# Altium PCB CFD_V1.03.PcbDoc (part 5 of 10)
Units mm, origin at the board's own origin, x right, y up, seen from the top; angles counter-clockwise.
Board outline 96.25 x 362.25 mm, 6 copper layers (Top, L2, L3, L4, L5, Bot), stack 1.496 mm thick; 1353 components, 761 nets, 4147 pads, 1354 vias.
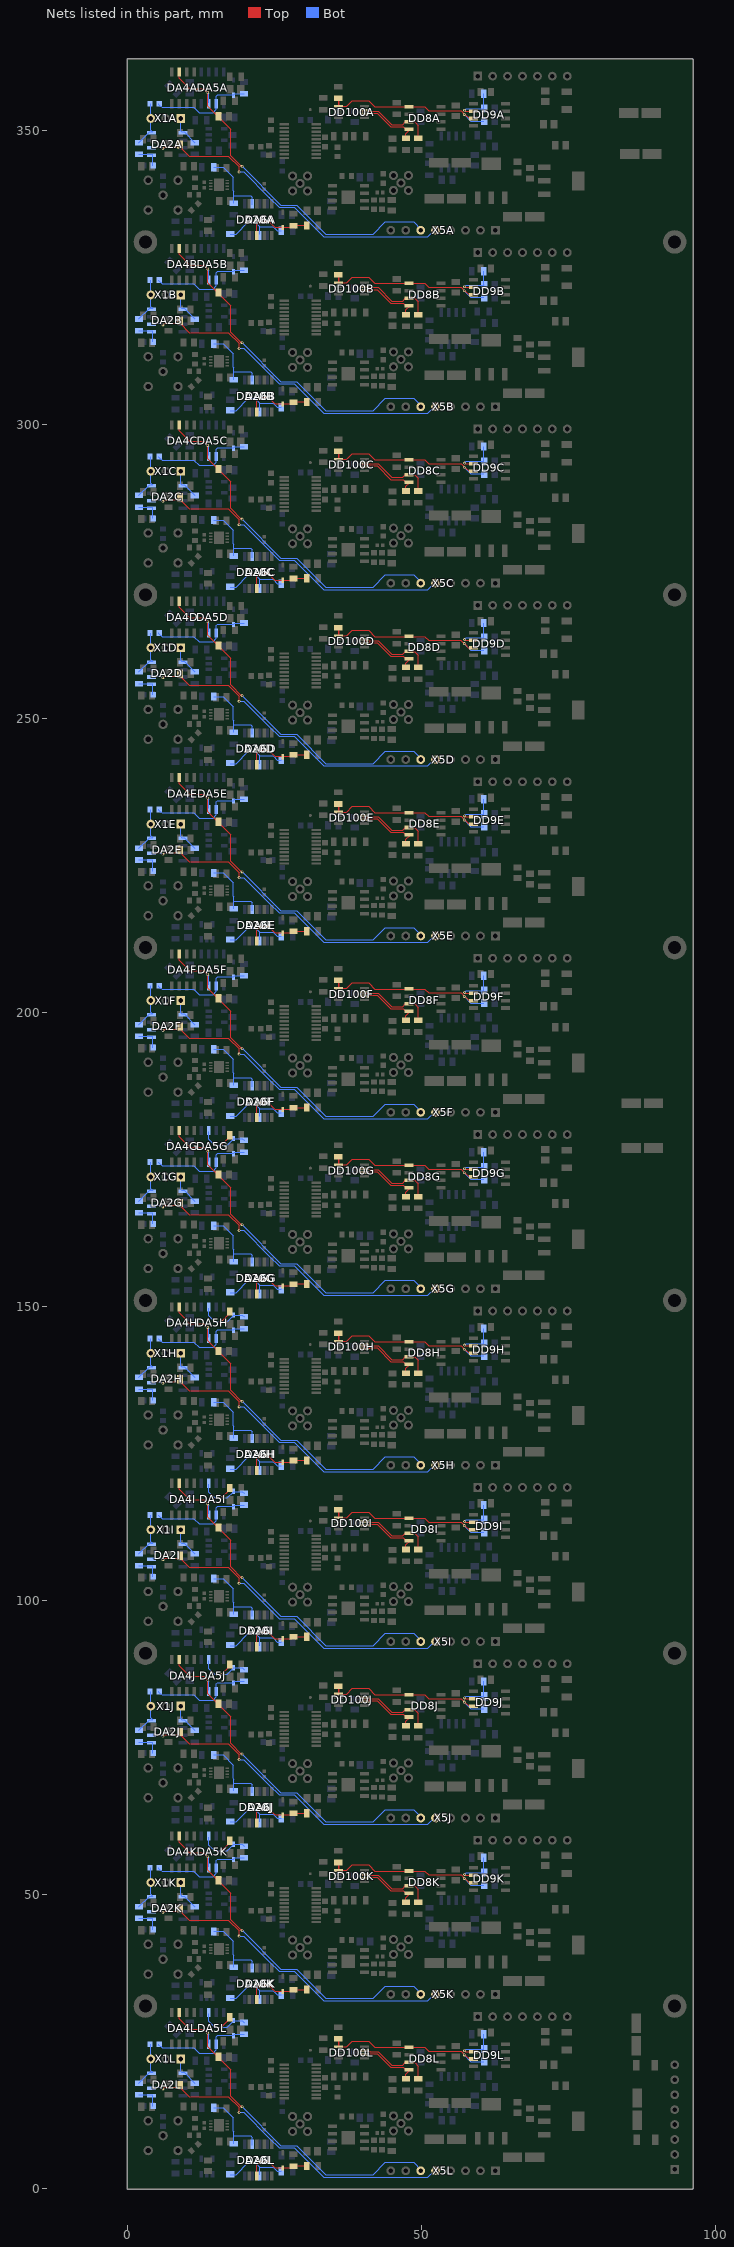
[diagram p9: the nets of this part, all layers, seen from the top]

## Via types
v1: diameter 0.48, hole 0.25, Top to Bot, tented both sides, 1301 vias
v2: diameter 1, hole 0.6, Top to Bot, tented both sides, 46 vias
v3: diameter 0.2/0.48/0.48/0.48/0.48/0.48 (per signal layer), hole 0.25, Top to Bot, tented both sides, 3 vias
v4: diameter 0.2/0/0/0/0/0.48 (per signal layer), hole 0.25, Top to Bot, tented both sides, 3 vias
v5: diameter 0.48/0.48/0.48/0.48/0.48/0.48 (per signal layer), hole 0.25, Top to Bot, tented both sides, 1 vias

## Nets (pads, with @x,y where several pads share a name; then routed paths per layer and width w, separated by ;. In a path a pad name is that pad's centre, name@x,y a point inside that pad or via, vN(x,y) a via of type N, cw(c..) or ccw(c..) an arc to the next point about the centre after c; other vN are vias at no path point) (continued)
DA5_OUTG: DA5G.6 R13G.1 R17G.2 VD1G.2 | length 10.6
  Top w0.2: v1(15.9,177.4) 17.3,178.8 R13G.1@17.3,179.1
  Bot w0.2: DA5G.6@13.8,179.7 13.8,178.38 14.78,177.4 v1(15.9,177.4) 16.9,177.4 18,178.5 19.5,178.5 R17G.2@19.8,178.2
DA5_OUTH: DA5H.6 R13H.1 R17H.2 VD1H.2 | length 10.6
  Top w0.2: v1(15.9,147.4) 17.3,148.8 R13H.1@17.3,149.1
  Bot w0.2: DA5H.6@13.8,149.7 13.8,148.38 14.78,147.4 v1(15.9,147.4) 16.9,147.4 18,148.5 19.5,148.5 R17H.2@19.8,148.2
DA5_OUTI: DA5I.6 R13I.1 R17I.2 VD1I.2 | length 10.6
  Top w0.2: v1(15.9,117.4) 17.3,118.8 R13I.1@17.3,119.1
  Bot w0.2: DA5I.6@13.8,119.7 13.8,118.38 14.78,117.4 v1(15.9,117.4) 16.9,117.4 18,118.5 19.5,118.5 R17I.2@19.8,118.2
DA5_OUTJ: DA5J.6 R13J.1 R17J.2 VD1J.2 | length 10.6
  Top w0.2: v1(15.9,87.4) 17.3,88.8 R13J.1@17.3,89.1
  Bot w0.2: DA5J.6@13.8,89.7 13.8,88.38 14.78,87.4 v1(15.9,87.4) 16.9,87.4 18,88.5 19.5,88.5 R17J.2@19.8,88.2
DA5_OUTK: DA5K.6 R13K.1 R17K.2 VD1K.2 | length 10.6
  Top w0.2: v1(15.9,57.4) 17.3,58.8 R13K.1@17.3,59.1
  Bot w0.2: DA5K.6@13.8,59.7 13.8,58.38 14.78,57.4 v1(15.9,57.4) 16.9,57.4 18,58.5 19.5,58.5 R17K.2@19.8,58.2
DA5_OUTL: DA5L.6 R13L.1 R17L.2 VD1L.2 | length 10.6
  Top w0.2: v1(15.9,27.4) 17.3,28.8 R13L.1@17.3,29.1
  Bot w0.2: DA5L.6@13.8,29.7 13.8,28.38 14.78,27.4 v1(15.9,27.4) 16.9,27.4 18,28.5 19.5,28.5 R17L.2@19.8,28.2
DA5A_N: DA5A.2 R17A.1 R45A.1 VD1A.1 | length 17.9
  Bot w0.2: R45A.1@5.23,354.5 5.23,354.374 5.484,354.12 5.61,354.12 5.83,353.9 11.25,353.9 12.15,353 14.5,353 15.07,353.57 15.07,354.7 15.07,355.78 15.29,356 18,356 18.2,356.2 R17A.1@19.8,356.2
DA5B_N: DA5B.2 R17B.1 R45B.1 VD1B.1 | length 17.9
  Bot w0.2: R45B.1@5.23,324.5 5.23,324.374 5.484,324.12 5.61,324.12 5.83,323.9 11.25,323.9 12.15,323 14.5,323 15.07,323.57 15.07,324.7 15.07,325.78 15.29,326 18,326 18.2,326.2 R17B.1@19.8,326.2
DA5C_N: DA5C.2 R17C.1 R45C.1 VD1C.1 | length 17.9
  Bot w0.2: R45C.1@5.23,294.5 5.23,294.374 5.484,294.12 5.61,294.12 5.83,293.9 11.25,293.9 12.15,293 14.5,293 15.07,293.57 15.07,294.7 15.07,295.78 15.29,296 18,296 18.2,296.2 R17C.1@19.8,296.2
DA5D_N: DA5D.2 R17D.1 R45D.1 VD1D.1 | length 17.9
  Bot w0.2: R45D.1@5.23,264.5 5.23,264.374 5.484,264.12 5.61,264.12 5.83,263.9 11.25,263.9 12.15,263 14.5,263 15.07,263.57 15.07,264.7 15.07,265.78 15.29,266 18,266 18.2,266.2 R17D.1@19.8,266.2
DA5E_N: DA5E.2 R17E.1 R45E.1 VD1E.1 | length 17.9
  Bot w0.2: R45E.1@5.23,234.5 5.23,234.374 5.484,234.12 5.61,234.12 5.83,233.9 11.25,233.9 12.15,233 14.5,233 15.07,233.57 15.07,234.7 15.07,235.78 15.29,236 18,236 18.2,236.2 R17E.1@19.8,236.2
DA5F_N: DA5F.2 R17F.1 R45F.1 VD1F.1 | length 17.9
  Bot w0.2: R45F.1@5.23,204.5 5.23,204.374 5.484,204.12 5.61,204.12 5.83,203.9 11.25,203.9 12.15,203 14.5,203 15.07,203.57 15.07,204.7 15.07,205.78 15.29,206 18,206 18.2,206.2 R17F.1@19.8,206.2
DA5G_N: DA5G.2 R17G.1 R45G.1 VD1G.1 | length 17.9
  Bot w0.2: R45G.1@5.23,174.5 5.23,174.374 5.484,174.12 5.61,174.12 5.83,173.9 11.25,173.9 12.15,173 14.5,173 15.07,173.57 15.07,174.7 15.07,175.78 15.29,176 18,176 18.2,176.2 R17G.1@19.8,176.2
DA5H_N: DA5H.2 R17H.1 R45H.1 VD1H.1 | length 17.9
  Bot w0.2: R45H.1@5.23,144.5 5.23,144.374 5.484,144.12 5.61,144.12 5.83,143.9 11.25,143.9 12.15,143 14.5,143 15.07,143.57 15.07,144.7 15.07,145.78 15.29,146 18,146 18.2,146.2 R17H.1@19.8,146.2
DA5I_N: DA5I.2 R17I.1 R45I.1 VD1I.1 | length 17.9
  Bot w0.2: R45I.1@5.23,114.5 5.23,114.374 5.484,114.12 5.61,114.12 5.83,113.9 11.25,113.9 12.15,113 14.5,113 15.07,113.57 15.07,114.7 15.07,115.78 15.29,116 18,116 18.2,116.2 R17I.1@19.8,116.2
DA5J_N: DA5J.2 R17J.1 R45J.1 VD1J.1 | length 17.9
  Bot w0.2: R45J.1@5.23,84.5 5.23,84.374 5.484,84.12 5.61,84.12 5.83,83.9 11.25,83.9 12.15,83 14.5,83 15.07,83.57 15.07,84.7 15.07,85.78 15.29,86 18,86 18.2,86.2 R17J.1@19.8,86.2
DA5K_N: DA5K.2 R17K.1 R45K.1 VD1K.1 | length 17.9
  Bot w0.2: R45K.1@5.23,54.5 5.23,54.374 5.484,54.12 5.61,54.12 5.83,53.9 11.25,53.9 12.15,53 14.5,53 15.07,53.57 15.07,54.7 15.07,55.78 15.29,56 18,56 18.2,56.2 R17K.1@19.8,56.2
DA5L_N: DA5L.2 R17L.1 R45L.1 VD1L.1 | length 17.9
  Bot w0.2: R45L.1@5.23,24.5 5.23,24.374 5.484,24.12 5.61,24.12 5.83,23.9 11.25,23.9 12.15,23 14.5,23 15.07,23.57 15.07,24.7 15.07,25.78 15.29,26 18,26 18.2,26.2 R17L.1@19.8,26.2
DA6_OUTA: DA6A.6 R16A.1 R43A.1 VD2A.2 | length 11
  Top w0.2: DA6A.6@21.93,332.3 21.93,334.02 22.5,334.59 23.9,334.59 24.99,333.5 26.325,333.5 27.9,333.5 28.2,333.8 R43A.1@30.4,333.8
DA6_OUTB: DA6B.6 R16B.1 R43B.1 VD2B.2 | length 11
  Top w0.2: DA6B.6@21.93,302.3 21.93,304.02 22.5,304.59 23.9,304.59 24.99,303.5 26.325,303.5 27.9,303.5 28.2,303.8 R43B.1@30.4,303.8
DA6_OUTC: DA6C.6 R16C.1 R43C.1 VD2C.2 | length 11
  Top w0.2: DA6C.6@21.93,272.3 21.93,274.02 22.5,274.59 23.9,274.59 24.99,273.5 26.325,273.5 27.9,273.5 28.2,273.8 R43C.1@30.4,273.8
DA6_OUTD: DA6D.6 R16D.1 R43D.1 VD2D.2 | length 11
  Top w0.2: DA6D.6@21.93,242.3 21.93,244.02 22.5,244.59 23.9,244.59 24.99,243.5 26.325,243.5 27.9,243.5 28.2,243.8 R43D.1@30.4,243.8
DA6_OUTE: DA6E.6 R16E.1 R43E.1 VD2E.2 | length 11
  Top w0.2: DA6E.6@21.93,212.3 21.93,214.02 22.5,214.59 23.9,214.59 24.99,213.5 26.325,213.5 27.9,213.5 28.2,213.8 R43E.1@30.4,213.8
DA6_OUTF: DA6F.6 R16F.1 R43F.1 VD2F.2 | length 11
  Top w0.2: DA6F.6@21.93,182.3 21.93,184.02 22.5,184.59 23.9,184.59 24.99,183.5 26.325,183.5 27.9,183.5 28.2,183.8 R43F.1@30.4,183.8
DA6_OUTG: DA6G.6 R16G.1 R43G.1 VD2G.2 | length 11
  Top w0.2: DA6G.6@21.93,152.3 21.93,154.02 22.5,154.59 23.9,154.59 24.99,153.5 26.325,153.5 27.9,153.5 28.2,153.8 R43G.1@30.4,153.8
DA6_OUTH: DA6H.6 R16H.1 R43H.1 VD2H.2 | length 11
  Top w0.2: DA6H.6@21.93,122.3 21.93,124.02 22.5,124.59 23.9,124.59 24.99,123.5 26.325,123.5 27.9,123.5 28.2,123.8 R43H.1@30.4,123.8
DA6_OUTI: DA6I.6 R16I.1 R43I.1 VD2I.2 | length 11
  Top w0.2: DA6I.6@21.93,92.3 21.93,94.02 22.5,94.59 23.9,94.59 24.99,93.5 26.325,93.5 27.9,93.5 28.2,93.8 R43I.1@30.4,93.8
DA6_OUTJ: DA6J.6 R16J.1 R43J.1 VD2J.2 | length 11
  Top w0.2: DA6J.6@21.93,62.3 21.93,64.02 22.5,64.59 23.9,64.59 24.99,63.5 26.325,63.5 27.9,63.5 28.2,63.8 R43J.1@30.4,63.8
DA6_OUTK: DA6K.6 R16K.1 R43K.1 VD2K.2 | length 11
  Top w0.2: DA6K.6@21.93,32.3 21.93,34.02 22.5,34.59 23.9,34.59 24.99,33.5 26.325,33.5 27.9,33.5 28.2,33.8 R43K.1@30.4,33.8
DA6_OUTL: DA6L.6 R16L.1 R43L.1 VD2L.2 | length 11
  Top w0.2: DA6L.6@21.93,2.3 21.93,4.02 22.5,4.59 23.9,4.59 24.99,3.5 26.325,3.5 27.9,3.5 28.2,3.8 R43L.1@30.4,3.8
DA20_OUTA: DA20A.6 pad.1@18,338.9 R14A.2 R41A.1 | length 13
  Bot w0.2: R41A.1@14.63,343.7 16.199,343.7 17.91,341.989 17.91,339.697 18,339.607 pad.1@18,338.9 ; R14A.2@18,337.6 pad.1@18,338.9 ; DA20A.6@21.16,337.3 21.16,338.64 20.9,338.9 pad.1@18,338.9
DA20_OUTB: DA20B.6 R14B.2 R41B.1 | length 13
  Bot w0.2: R41B.1@14.63,313.7 16.199,313.7 17.91,311.989 17.91,309.697 18,309.607 18,308.9 ; R14B.2@18,307.6 18,308.9 ; DA20B.6@21.16,307.3 21.16,308.64 20.9,308.9 18,308.9
DA20_OUTC: DA20C.6 R14C.2 R41C.1 | length 13
  Bot w0.2: R41C.1@14.63,283.7 16.199,283.7 17.91,281.989 17.91,279.697 18,279.607 18,278.9 ; R14C.2@18,277.6 18,278.9 ; DA20C.6@21.16,277.3 21.16,278.64 20.9,278.9 18,278.9
DA20_OUTD: DA20D.6 R14D.2 R41D.1 | length 13
  Bot w0.2: R41D.1@14.63,253.7 16.199,253.7 17.91,251.989 17.91,249.697 18,249.607 18,248.9 ; R14D.2@18,247.6 18,248.9 ; DA20D.6@21.16,247.3 21.16,248.64 20.9,248.9 18,248.9
DA20_OUTE: DA20E.6 R14E.2 R41E.1 | length 13
  Bot w0.2: R41E.1@14.63,223.7 16.199,223.7 17.91,221.989 17.91,219.697 18,219.607 18,218.9 ; R14E.2@18,217.6 18,218.9 ; DA20E.6@21.16,217.3 21.16,218.64 20.9,218.9 18,218.9
DA20_OUTF: DA20F.6 R14F.2 R41F.1 | length 13
  Bot w0.2: R41F.1@14.63,193.7 16.199,193.7 17.91,191.989 17.91,189.697 18,189.607 18,188.9 ; R14F.2@18,187.6 18,188.9 ; DA20F.6@21.16,187.3 21.16,188.64 20.9,188.9 18,188.9
DA20_OUTG: DA20G.6 R14G.2 R41G.1 | length 13
  Bot w0.2: R41G.1@14.63,163.7 16.199,163.7 17.91,161.989 17.91,159.697 18,159.607 18,158.9 ; R14G.2@18,157.6 18,158.9 ; DA20G.6@21.16,157.3 21.16,158.64 20.9,158.9 18,158.9
DA20_OUTH: DA20H.6 R14H.2 R41H.1 | length 13
  Bot w0.2: R41H.1@14.63,133.7 16.199,133.7 17.91,131.989 17.91,129.697 18,129.607 18,128.9 ; R14H.2@18,127.6 18,128.9 ; DA20H.6@21.16,127.3 21.16,128.64 20.9,128.9 18,128.9
DA20_OUTI: DA20I.6 R14I.2 R41I.1 | length 13
  Bot w0.2: R41I.1@14.63,103.7 16.199,103.7 17.91,101.989 17.91,99.697 18,99.607 18,98.9 ; R14I.2@18,97.6 18,98.9 ; DA20I.6@21.16,97.3 21.16,98.64 20.9,98.9 18,98.9
DA20_OUTJ: DA20J.6 R14J.2 R41J.1 | length 13
  Bot w0.2: R41J.1@14.63,73.7 16.199,73.7 17.91,71.989 17.91,69.697 18,69.607 18,68.9 ; R14J.2@18,67.6 18,68.9 ; DA20J.6@21.16,67.3 21.16,68.64 20.9,68.9 18,68.9
DA20_OUTK: DA20K.6 R14K.2 R41K.1 | length 13
  Bot w0.2: R41K.1@14.63,43.7 16.199,43.7 17.91,41.989 17.91,39.697 18,39.607 18,38.9 ; R14K.2@18,37.6 18,38.9 ; DA20K.6@21.16,37.3 21.16,38.64 20.9,38.9 18,38.9
DA20_OUTL: DA20L.6 R14L.2 R41L.1 | length 13
  Bot w0.2: R41L.1@14.63,13.7 16.199,13.7 17.91,11.989 17.91,9.697 18,9.607 18,8.9 ; R14L.2@18,7.6 18,8.9 ; DA20L.6@21.16,7.3 21.16,8.64 20.9,8.9 18,8.9
DA20A_N: C15A.1 DA20A.2 R42A.2 | length 11.5
  Bot w0.2: C15A.1@17.4,332.3 18.407,332.3 20.507,334.4 21.66,334.4 22.46,333.6 ; DA20A.2@22.43,332.3 22.43,333.57 22.46,333.6 ; R42A.2@26.086,332.9 25.4,332.9 24.7,333.6 22.46,333.6
DA20B_N: C15B.1 DA20B.2 R42B.2 | length 11.5
  Bot w0.2: C15B.1@17.4,302.3 18.407,302.3 20.507,304.4 21.66,304.4 22.46,303.6 ; DA20B.2@22.43,302.3 22.43,303.57 22.46,303.6 ; R42B.2@26.086,302.9 25.4,302.9 24.7,303.6 22.46,303.6
DA20C_N: C15C.1 DA20C.2 R42C.2 | length 11.5
  Bot w0.2: C15C.1@17.4,272.3 18.407,272.3 20.507,274.4 21.66,274.4 22.46,273.6 ; DA20C.2@22.43,272.3 22.43,273.57 22.46,273.6 ; R42C.2@26.086,272.9 25.4,272.9 24.7,273.6 22.46,273.6
DA20D_N: C15D.1 DA20D.2 R42D.2 | length 11.5
  Bot w0.2: C15D.1@17.4,242.3 18.407,242.3 20.507,244.4 21.66,244.4 22.46,243.6 ; DA20D.2@22.43,242.3 22.43,243.57 22.46,243.6 ; R42D.2@26.086,242.9 25.4,242.9 24.7,243.6 22.46,243.6
DA20E_N: C15E.1 DA20E.2 R42E.2 | length 11.5
  Bot w0.2: C15E.1@17.4,212.3 18.407,212.3 20.507,214.4 21.66,214.4 22.46,213.6 ; DA20E.2@22.43,212.3 22.43,213.57 22.46,213.6 ; R42E.2@26.086,212.9 25.4,212.9 24.7,213.6 22.46,213.6
DA20F_N: C15F.1 DA20F.2 R42F.2 | length 11.5
  Bot w0.2: C15F.1@17.4,182.3 18.407,182.3 20.507,184.4 21.66,184.4 22.46,183.6 ; DA20F.2@22.43,182.3 22.43,183.57 22.46,183.6 ; R42F.2@26.086,182.9 25.4,182.9 24.7,183.6 22.46,183.6
DA20G_N: C15G.1 DA20G.2 R42G.2 | length 11.5
  Bot w0.2: C15G.1@17.4,152.3 18.407,152.3 20.507,154.4 21.66,154.4 22.46,153.6 ; DA20G.2@22.43,152.3 22.43,153.57 22.46,153.6 ; R42G.2@26.086,152.9 25.4,152.9 24.7,153.6 22.46,153.6
DA20H_N: C15H.1 DA20H.2 R42H.2 | length 11.5
  Bot w0.2: C15H.1@17.4,122.3 18.407,122.3 20.507,124.4 21.66,124.4 22.46,123.6 ; DA20H.2@22.43,122.3 22.43,123.57 22.46,123.6 ; R42H.2@26.086,122.9 25.4,122.9 24.7,123.6 22.46,123.6
DA20I_N: C15I.1 DA20I.2 R42I.2 | length 11.5
  Bot w0.2: C15I.1@17.4,92.3 18.407,92.3 20.507,94.4 21.66,94.4 22.46,93.6 ; DA20I.2@22.43,92.3 22.43,93.57 22.46,93.6 ; R42I.2@26.086,92.9 25.4,92.9 24.7,93.6 22.46,93.6
DA20J_N: C15J.1 DA20J.2 R42J.2 | length 11.5
  Bot w0.2: C15J.1@17.4,62.3 18.407,62.3 20.507,64.4 21.66,64.4 22.46,63.6 ; DA20J.2@22.43,62.3 22.43,63.57 22.46,63.6 ; R42J.2@26.086,62.9 25.4,62.9 24.7,63.6 22.46,63.6
DA20K_N: C15K.1 DA20K.2 R42K.2 | length 11.5
  Bot w0.2: C15K.1@17.4,32.3 18.407,32.3 20.507,34.4 21.66,34.4 22.46,33.6 ; DA20K.2@22.43,32.3 22.43,33.57 22.46,33.6 ; R42K.2@26.086,32.9 25.4,32.9 24.7,33.6 22.46,33.6
DA20L_N: C15L.1 DA20L.2 R42L.2 | length 11.5
  Bot w0.2: C15L.1@17.4,2.3 18.407,2.3 20.507,4.4 21.66,4.4 22.46,3.6 ; DA20L.2@22.43,2.3 22.43,3.57 22.46,3.6 ; R42L.2@26.086,2.9 25.4,2.9 24.7,3.6 22.46,3.6
DD9_OUTA_N: C17A.1 DD9A.6 R403A.1 | length 7.7
  Top w0.2: v1(57.269,353.39) 57.392,353.267 DD9A.6@58.985,353.267
  Bot w0.2: v1(57.269,353.39) 57.546,353.667 60.514,353.667 60.522,353.675 60.522,356.192 R403A.1@60.53,356.2
DD9_OUTB_N: C17B.1 DD9B.6 R403B.1 | length 7.6
  Top w0.2: v1(57.269,323.39) 57.392,323.267 DD9B.6@58.985,323.267
  Bot w0.2: v1(57.269,323.39) 57.546,323.667 60.514,323.667 C17B.1@60.522,323.675 ; R403B.1@60.511,326.029 60.522,326.017 C17B.1@60.522,323.675 ; C17B.1@60.606,323.685 60.533,323.685 C17B.1@60.522,323.675
DD9_OUTC_N: C17C.1 DD9C.6 R403C.1 | length 7.7
  Top w0.2: v1(57.269,293.39) 57.392,293.267 DD9C.6@58.985,293.267
  Bot w0.2: v1(57.269,293.39) 57.546,293.667 60.514,293.667 60.522,293.675 60.522,296.192 R403C.1@60.53,296.2
DD9_OUTD_N: C17D.1 DD9D.6 R403D.1 | length 7.7
  Top w0.2: v1(57.269,263.39) 57.392,263.267 DD9D.6@58.985,263.267
  Bot w0.2: v1(57.269,263.39) 57.546,263.667 60.514,263.667 60.522,263.675 60.522,266.192 R403D.1@60.53,266.2
DD9_OUTE_N: C17E.1 DD9E.6 R403E.1 | length 7.7
  Top w0.2: v1(57.269,233.39) 57.392,233.267 DD9E.6@58.985,233.267
  Bot w0.2: v1(57.269,233.39) 57.546,233.667 60.514,233.667 60.522,233.675 60.522,236.192 R403E.1@60.53,236.2
DD9_OUTF_N: C17F.1 DD9F.6 R403F.1 | length 7.7
  Top w0.2: v1(57.269,203.39) 57.392,203.267 DD9F.6@58.985,203.267
  Bot w0.2: v1(57.269,203.39) 57.546,203.667 60.514,203.667 60.522,203.675 60.522,206.192 R403F.1@60.53,206.2
DD9_OUTG_N: C17G.1 DD9G.6 R403G.1 | length 7.7
  Top w0.2: v1(57.269,173.39) 57.392,173.267 DD9G.6@58.985,173.267
  Bot w0.2: v1(57.269,173.39) 57.546,173.667 60.514,173.667 60.522,173.675 60.522,176.192 R403G.1@60.53,176.2
DD9_OUTH_N: C17H.1 DD9H.6 R403H.1 | length 7.7
  Top w0.2: v1(57.269,143.39) 57.392,143.267 DD9H.6@58.985,143.267
  Bot w0.2: v1(57.269,143.39) 57.546,143.667 60.514,143.667 60.522,143.675 60.522,146.192 R403H.1@60.53,146.2
DD9_OUTI_N: C17I.1 DD9I.6 R403I.1 | length 7.7
  Top w0.2: v1(57.269,113.39) 57.392,113.267 DD9I.6@58.985,113.267
  Bot w0.2: v1(57.269,113.39) 57.546,113.667 60.514,113.667 60.522,113.675 60.522,116.192 R403I.1@60.53,116.2
DD9_OUTJ_N: C17J.1 DD9J.6 R403J.1 | length 7.7
  Top w0.2: v1(57.269,83.39) 57.392,83.267 DD9J.6@58.985,83.267
  Bot w0.2: v1(57.269,83.39) 57.546,83.667 60.514,83.667 60.522,83.675 60.522,86.192 R403J.1@60.53,86.2
DD9_OUTK_N: C17K.1 DD9K.6 R403K.1 | length 7.7
  Top w0.2: v1(57.269,53.39) 57.392,53.267 DD9K.6@58.985,53.267
  Bot w0.2: v1(57.269,53.39) 57.546,53.667 60.514,53.667 60.522,53.675 60.522,56.192 R403K.1@60.53,56.2
DD9_OUTL_N: C17L.1 DD9L.6 R403L.1 | length 7.7
  Top w0.2: v1(57.269,23.39) 57.392,23.267 DD9L.6@58.985,23.267
  Bot w0.2: v1(57.269,23.39) 57.546,23.667 60.514,23.667 60.522,23.675 60.522,26.192 R403L.1@60.53,26.2
DD100_QA_N: DD8A.4 DD100A.6 R7A.1 | length 10.8
  Top w0.2: DD100A.6@40.258,352.758 40.383,352.883 41.132,352.883 41.157,352.908 42.427,352.908 44.735,350.6 46.812,350.6 47.265,350.146 48.015,350.146 47.3,349.431 R7A.1@47.3,348.65
DD100_QA_P: DD8A.3 DD100A.7 R3A.1 | length 13.1
  Top w0.2: DD100A.7@39.868,353.408 39.993,353.283 41.132,353.283 41.157,353.258 42.572,353.258 44.88,350.95 46.73,350.95 47.196,351.416 48.015,351.416 48.784,351.416 49.4,350.8 R3A.1@49.4,348.65
DD100_QB_N: DD8B.4 DD100B.6 R7B.1 | length 10.8
  Top w0.2: DD100B.6@40.258,322.758 40.383,322.883 41.132,322.883 41.157,322.908 42.427,322.908 44.735,320.6 46.812,320.6 47.265,320.146 48.015,320.146 47.3,319.431 R7B.1@47.3,318.65
DD100_QB_P: DD8B.3 DD100B.7 R3B.1 | length 13.1
  Top w0.2: DD100B.7@39.868,323.408 39.993,323.283 41.132,323.283 41.157,323.258 42.572,323.258 44.88,320.95 46.73,320.95 47.196,321.416 48.015,321.416 48.784,321.416 49.4,320.8 R3B.1@49.4,318.65
DD100_QC_N: DD8C.4 DD100C.6 R7C.1 | length 10.8
  Top w0.2: DD100C.6@40.258,292.758 40.383,292.883 41.132,292.883 41.157,292.908 42.427,292.908 44.735,290.6 46.812,290.6 47.265,290.146 48.015,290.146 47.3,289.431 R7C.1@47.3,288.65
DD100_QC_P: DD8C.3 DD100C.7 R3C.1 | length 13.1
  Top w0.2: DD100C.7@39.868,293.408 39.993,293.283 41.132,293.283 41.157,293.258 42.572,293.258 44.88,290.95 46.73,290.95 47.196,291.416 48.015,291.416 48.784,291.416 49.4,290.8 R3C.1@49.4,288.65
DD100_QD_N: DD8D.4 DD100D.6 R7D.1 | length 10.8
  Top w0.2: DD100D.6@40.248,262.693 40.373,262.818 41.122,262.818 41.147,262.843 42.417,262.843 44.725,260.536 46.802,260.536 47.255,260.082 48.005,260.082 47.29,259.367 R7D.1@47.29,258.586
DD100_QD_P: DD8D.3 DD100D.7 R3D.1 | length 13.1
  Top w0.2: DD100D.7@39.858,263.343 39.983,263.218 41.122,263.218 41.147,263.193 42.562,263.193 44.87,260.886 46.72,260.886 47.186,261.352 48.005,261.352 48.773,261.352 49.39,260.736 R3D.1@49.39,258.586
DD100_QE_N: DD8E.4 DD100E.6 R7E.1 | length 10.8
  Top w0.2: DD100E.6@40.258,232.758 40.383,232.883 41.132,232.883 41.157,232.908 42.427,232.908 44.735,230.6 46.812,230.6 47.265,230.146 48.015,230.146 47.3,229.431 R7E.1@47.3,228.65
DD100_QE_P: DD8E.3 DD100E.7 R3E.1 | length 13.1
  Top w0.2: DD100E.7@39.868,233.408 39.993,233.283 41.132,233.283 41.157,233.258 42.572,233.258 44.88,230.95 46.73,230.95 47.196,231.416 48.015,231.416 48.784,231.416 49.4,230.8 R3E.1@49.4,228.65
DD100_QF_N: DD8F.4 DD100F.6 R7F.1 | length 10.8
  Top w0.2: DD100F.6@40.258,202.758 40.383,202.883 41.132,202.883 41.157,202.908 42.427,202.908 44.735,200.6 46.812,200.6 47.265,200.146 48.015,200.146 47.3,199.431 R7F.1@47.3,198.65
DD100_QF_P: DD8F.3 DD100F.7 R3F.1 | length 13.1
  Top w0.2: DD100F.7@39.868,203.408 39.993,203.283 41.132,203.283 41.157,203.258 42.572,203.258 44.88,200.95 46.73,200.95 47.196,201.416 48.015,201.416 48.784,201.416 49.4,200.8 R3F.1@49.4,198.65
DD100_QG_N: DD8G.4 DD100G.6 R7G.1 | length 10.8
  Top w0.2: DD100G.6@40.258,172.758 40.383,172.883 41.132,172.883 41.157,172.908 42.427,172.908 44.735,170.6 46.812,170.6 47.265,170.146 48.015,170.146 47.3,169.431 R7G.1@47.3,168.65
DD100_QG_P: DD8G.3 DD100G.7 R3G.1 | length 13.1
  Top w0.2: DD100G.7@39.868,173.408 39.993,173.283 41.132,173.283 41.157,173.258 42.572,173.258 44.88,170.95 46.73,170.95 47.196,171.416 48.015,171.416 48.784,171.416 49.4,170.8 R3G.1@49.4,168.65
DD100_QH_N: DD8H.4 DD100H.6 R7H.1 | length 10.8
  Top w0.2: DD100H.6@40.258,142.758 40.383,142.883 41.132,142.883 41.157,142.908 42.427,142.908 44.735,140.6 46.812,140.6 47.265,140.146 48.015,140.146 47.3,139.431 R7H.1@47.3,138.65
DD100_QH_P: DD8H.3 DD100H.7 R3H.1 | length 13.1
  Top w0.2: DD100H.7@39.868,143.408 39.993,143.283 41.132,143.283 41.157,143.258 42.572,143.258 44.88,140.95 46.73,140.95 47.196,141.416 48.015,141.416 48.784,141.416 49.4,140.8 R3H.1@49.4,138.65
DD100_QI_N: DD8I.4 DD100I.6 R7I.1 | length 10.8
  Top w0.2: DD100I.6@40.258,112.758 40.383,112.883 41.132,112.883 41.157,112.908 42.427,112.908 44.735,110.6 46.812,110.6 47.265,110.146 48.015,110.146 47.3,109.431 R7I.1@47.3,108.65
DD100_QI_P: DD8I.3 DD100I.7 R3I.1 | length 13.1
  Top w0.2: DD100I.7@39.868,113.408 39.993,113.283 41.132,113.283 41.157,113.258 42.572,113.258 44.88,110.95 46.73,110.95 47.196,111.416 48.015,111.416 48.784,111.416 49.4,110.8 R3I.1@49.4,108.65
DD100_QJ_N: DD8J.4 DD100J.6 R7J.1 | length 10.8
  Top w0.2: DD100J.6@40.258,82.758 40.383,82.883 41.132,82.883 41.157,82.908 42.427,82.908 44.735,80.6 46.812,80.6 47.265,80.146 48.015,80.146 47.3,79.431 R7J.1@47.3,78.65
DD100_QJ_P: DD8J.3 DD100J.7 R3J.1 | length 13.1
  Top w0.2: DD100J.7@39.868,83.408 39.993,83.283 41.132,83.283 41.157,83.258 42.572,83.258 44.88,80.95 46.73,80.95 47.196,81.416 48.015,81.416 48.784,81.416 49.4,80.8 R3J.1@49.4,78.65
DD100_QK_N: DD8K.4 DD100K.6 R7K.1 | length 10.8
  Top w0.2: DD100K.6@40.258,52.758 40.383,52.883 41.132,52.883 41.157,52.908 42.427,52.908 44.735,50.6 46.812,50.6 47.265,50.146 48.015,50.146 47.3,49.431 R7K.1@47.3,48.65
DD100_QK_P: DD8K.3 DD100K.7 R3K.1 | length 13.1
  Top w0.2: DD100K.7@39.868,53.408 39.993,53.283 41.132,53.283 41.157,53.258 42.572,53.258 44.88,50.95 46.73,50.95 47.196,51.416 48.015,51.416 48.784,51.416 49.4,50.8 R3K.1@49.4,48.65
DD100_QL_N: DD8L.4 DD100L.6 R7L.1 | length 10.8
  Top w0.2: DD100L.6@40.258,22.758 40.383,22.883 41.132,22.883 41.157,22.908 42.427,22.908 44.735,20.6 46.812,20.6 47.265,20.146 48.015,20.146 47.3,19.431 R7L.1@47.3,18.65
DD100_QL_P: DD8L.3 DD100L.7 R3L.1 | length 13.1
  Top w0.2: DD100L.7@39.868,23.408 39.993,23.283 41.132,23.283 41.157,23.258 42.572,23.258 44.88,20.95 46.73,20.95 47.196,21.416 48.015,21.416 48.784,21.416 49.4,20.8 R3L.1@49.4,18.65
DD100_RA_P: C16A.1 DD8A.1 DD9A.7 DD100A.1 R301A.1 | length 29.9
  Top w0.2: DD100A.1@35.858,354.058 37.252,354.058 38.197,355.003 40.954,355.003 41.992,353.965 DD8A.1@47.83,353.965 ; DD8A.1@47.83,353.956 50.534,353.956 51.19,353.3 56.666,353.3 57.23,352.736 v1(57.23,352.7) 57.329,352.7 58.032,351.997 DD9A.7@58.985,351.997
  Top w0.254: R301A.1@35.779,355.414 35.858,355.335 DD100A.1@35.858,354.058
  Bot w0.2: v1(57.23,352.7) 58.363,351.567 C16A.1@60.514,351.567
DD100_RB_P: C16B.1 DD8B.1 DD9B.7 DD100B.1 R301B.1 | length 29.9
  Top w0.2: DD100B.1@35.858,324.058 37.252,324.058 38.197,325.003 40.954,325.003 42.007,323.95 46.386,323.95 46.392,323.956 50.534,323.956 51.19,323.3 56.666,323.3 57.23,322.736 v1(57.23,322.7) 57.329,322.7 58.032,321.997 DD9B.7@58.985,321.997
  Top w0.254: R301B.1@35.779,325.414 35.858,325.335 DD100B.1@35.858,324.058
  Bot w0.2: v1(57.23,322.7) 58.363,321.567 C16B.1@60.514,321.567
DD100_RC_P: C16C.1 DD8C.1 DD9C.7 DD100C.1 R301C.1 | length 29.9
  Top w0.2: DD100C.1@35.858,294.058 37.252,294.058 38.197,295.003 40.954,295.003 42.007,293.95 46.386,293.95 46.392,293.956 50.534,293.956 51.19,293.3 56.666,293.3 57.23,292.736 v1(57.23,292.7) 57.329,292.7 58.032,291.997 DD9C.7@58.985,291.997
  Top w0.254: R301C.1@35.779,295.414 35.858,295.335 DD100C.1@35.858,294.058
  Bot w0.2: v1(57.23,292.7) 58.363,291.567 C16C.1@60.514,291.567
DD100_RD_P: C16D.1 DD8D.1 DD9D.7 DD100D.1 R301D.1 | length 29.9
  Top w0.2: DD100D.1@35.848,263.993 37.242,263.993 38.187,264.939 40.944,264.939 41.997,263.886 46.376,263.886 46.382,263.892 50.523,263.892 51.18,263.236 56.656,263.236 57.22,262.672 57.22,262.636 57.319,262.636 58.022,261.933 DD9D.7@58.975,261.933
  Top w0.254: R301D.1@35.769,265.35 35.848,265.271 DD100D.1@35.848,263.993
  Bot w0.2: v1(57.23,262.7) 58.363,261.567 C16D.1@60.514,261.567
DD100_RE_P: C16E.1 DD8E.1 DD9E.7 DD100E.1 R301E.1 | length 29.9
  Top w0.2: DD100E.1@35.858,234.058 37.252,234.058 38.197,235.003 40.954,235.003 42.007,233.95 46.386,233.95 46.392,233.956 50.534,233.956 51.19,233.3 56.666,233.3 57.23,232.736 v1(57.23,232.7) 57.329,232.7 58.032,231.997 DD9E.7@58.985,231.997
  Top w0.254: R301E.1@35.779,235.414 35.858,235.335 DD100E.1@35.858,234.058
  Bot w0.2: v1(57.23,232.7) 58.363,231.567 C16E.1@60.514,231.567
DD100_RF_P: C16F.1 DD8F.1 DD9F.7 DD100F.1 R301F.1 | length 29.9
  Top w0.2: DD100F.1@35.858,204.058 37.252,204.058 38.197,205.003 40.954,205.003 42.007,203.95 46.386,203.95 46.392,203.956 50.534,203.956 51.19,203.3 56.666,203.3 57.23,202.736 v1(57.23,202.7) 57.329,202.7 58.032,201.997 DD9F.7@58.985,201.997
  Top w0.254: R301F.1@35.779,205.414 35.858,205.335 DD100F.1@35.858,204.058
  Bot w0.2: v1(57.23,202.7) 58.363,201.567 C16F.1@60.514,201.567
DD100_RG_P: C16G.1 DD8G.1 DD9G.7 DD100G.1 R301G.1 | length 29.9
  Top w0.2: DD100G.1@35.858,174.058 37.252,174.058 38.197,175.003 40.954,175.003 42.007,173.95 46.386,173.95 46.392,173.956 50.534,173.956 51.19,173.3 56.666,173.3 57.23,172.736 v1(57.23,172.7) 57.329,172.7 58.032,171.997 DD9G.7@58.985,171.997
  Top w0.254: R301G.1@35.779,175.414 35.858,175.335 DD100G.1@35.858,174.058
  Bot w0.2: v1(57.23,172.7) 58.363,171.567 C16G.1@60.514,171.567
DD100_RH_P: C16H.1 DD8H.1 DD9H.7 DD100H.1 R301H.1 | length 29.9
  Top w0.2: DD100H.1@35.858,144.058 37.252,144.058 38.197,145.003 40.954,145.003 42.007,143.95 46.386,143.95 46.392,143.956 50.534,143.956 51.19,143.3 56.666,143.3 57.23,142.736 v1(57.23,142.7) 57.329,142.7 58.032,141.997 DD9H.7@58.985,141.997
  Top w0.254: R301H.1@35.779,145.414 35.858,145.335 DD100H.1@35.858,144.058
  Bot w0.2: v1(57.23,142.7) 58.363,141.567 C16H.1@60.514,141.567
DD100_RI_P: C16I.1 DD8I.1 DD9I.7 DD100I.1 R301I.1 | length 29.9
  Top w0.2: DD100I.1@35.858,114.058 37.252,114.058 38.197,115.003 40.954,115.003 42.007,113.95 46.386,113.95 46.392,113.956 50.534,113.956 51.19,113.3 56.666,113.3 57.23,112.736 v1(57.23,112.7) 57.329,112.7 58.032,111.997 DD9I.7@58.985,111.997
  Top w0.254: R301I.1@35.779,115.414 35.858,115.335 DD100I.1@35.858,114.058
  Bot w0.2: v1(57.23,112.7) 58.363,111.567 C16I.1@60.514,111.567
DD100_RJ_P: C16J.1 DD8J.1 DD9J.7 DD100J.1 R301J.1 | length 29.9
  Top w0.2: DD100J.1@35.858,84.058 37.252,84.058 38.197,85.003 40.954,85.003 42.007,83.95 46.386,83.95 46.392,83.956 50.534,83.956 51.19,83.3 56.666,83.3 57.23,82.736 v1(57.23,82.7) 57.329,82.7 58.032,81.997 DD9J.7@58.985,81.997
  Top w0.254: R301J.1@35.779,85.414 35.858,85.335 DD100J.1@35.858,84.058
  Bot w0.2: v1(57.23,82.7) 58.363,81.567 C16J.1@60.514,81.567
DD100_RK_P: C16K.1 DD8K.1 DD9K.7 DD100K.1 R301K.1 | length 29.9
  Top w0.2: DD100K.1@35.858,54.058 37.252,54.058 38.197,55.003 40.954,55.003 42.007,53.95 46.386,53.95 46.392,53.956 50.534,53.956 51.19,53.3 56.666,53.3 57.23,52.736 v1(57.23,52.7) 57.329,52.7 58.032,51.997 DD9K.7@58.985,51.997
  Top w0.254: R301K.1@35.779,55.414 35.858,55.335 DD100K.1@35.858,54.058
  Bot w0.2: v1(57.23,52.7) 58.363,51.567 C16K.1@60.514,51.567
DD100_RL_P: C16L.1 DD8L.1 DD9L.7 DD100L.1 R301L.1 | length 29.9
  Top w0.2: DD100L.1@35.858,24.058 37.252,24.058 38.197,25.003 40.954,25.003 42.007,23.95 46.386,23.95 46.392,23.956 50.534,23.956 51.19,23.3 56.666,23.3 57.23,22.736 v1(57.23,22.7) 57.329,22.7 58.032,21.997 DD9L.7@58.985,21.997
  Top w0.254: R301L.1@35.779,25.414 35.858,25.335 DD100L.1@35.858,24.058
  Bot w0.2: v1(57.23,22.7) 58.363,21.567 C16L.1@60.514,21.567
DRV_OA_N: DA2A.5 R8A.2 X1A.1 | length 5.3
  Bot w0.2: X1A.1@9,352 9,349.91 9.2,349.71 9.59,349.71 R8A.2@11.4,347.9
DRV_OA_P: DA2A.4 R45A.2 R48A.2 X1A.3 | length 7.9
  Bot w0.2: R48A.2@1.9,347.9 3.71,349.71 4.2,349.71 3.92,349.99 X1A.3@3.92,352 ; X1A.3@3.9,352.02 R45A.2@3.9,354.48
DRV_OB_N: DA2B.5 R8B.2 X1B.1 | length 5.3
  Bot w0.2: X1B.1@9,322 9,319.91 9.2,319.71 9.59,319.71 R8B.2@11.4,317.9
DRV_OB_P: DA2B.4 R45B.2 R48B.2 X1B.3 | length 7.9
  Bot w0.2: R48B.2@1.9,317.9 3.71,319.71 4.2,319.71 3.92,319.99 X1B.3@3.92,322 ; X1B.3@3.9,322.02 R45B.2@3.9,324.48
DRV_OC_N: DA2C.5 R8C.2 X1C.1 | length 5.3
  Bot w0.2: X1C.1@9,292 9,289.91 9.2,289.71 9.59,289.71 R8C.2@11.4,287.9
DRV_OC_P: DA2C.4 R45C.2 R48C.2 X1C.3 | length 7.9
  Bot w0.2: R48C.2@1.9,287.9 3.71,289.71 4.2,289.71 3.92,289.99 X1C.3@3.92,292 ; X1C.3@3.9,292.02 R45C.2@3.9,294.48
DRV_OD_N: DA2D.5 R8D.2 X1D.1 | length 5.3
  Bot w0.2: X1D.1@9,262 9,259.91 9.2,259.71 9.59,259.71 R8D.2@11.4,257.9
DRV_OD_P: DA2D.4 R45D.2 R48D.2 X1D.3 | length 7.9
  Bot w0.2: R48D.2@1.9,257.9 3.71,259.71 4.2,259.71 3.92,259.99 X1D.3@3.92,262 ; X1D.3@3.9,262.02 R45D.2@3.9,264.48
DRV_OE_N: DA2E.5 R8E.2 X1E.1 | length 5.3
  Bot w0.2: X1E.1@9,232 9,229.91 9.2,229.71 9.59,229.71 R8E.2@11.4,227.9
DRV_OE_P: DA2E.4 R45E.2 R48E.2 X1E.3 | length 7.9
  Bot w0.2: R48E.2@1.9,227.9 3.71,229.71 4.2,229.71 3.92,229.99 X1E.3@3.92,232 ; X1E.3@3.9,232.02 R45E.2@3.9,234.48
DRV_OF_N: DA2F.5 R8F.2 X1F.1 | length 5.3
  Bot w0.2: X1F.1@9,202 9,199.91 9.2,199.71 9.59,199.71 R8F.2@11.4,197.9
DRV_OF_P: DA2F.4 R45F.2 R48F.2 X1F.3 | length 7.9
  Bot w0.2: R48F.2@1.9,197.9 3.71,199.71 4.2,199.71 3.92,199.99 X1F.3@3.92,202 ; X1F.3@3.9,202.02 R45F.2@3.9,204.48
DRV_OFFSETA: C43A.2 DA4A.3 DA5A.3 X5A.6 | length 60
  Top w0.2: DA4A.3@8.73,359.7 8.73,358.87 10.53,357.07 12.93,357.07 v1(13.6,356.4) 13.6,354.1 15.3,352.4 17.509,350.191 17.509,345.679 19.327,343.861 v1(19.43,343.861)
  Bot w0.2: v1(13.6,356.4) 13.8,356.2 DA5A.3@13.8,354.7 ; v1(19.43,343.861) 26.041,337.25 28.755,337.25 33.705,332.3 41.7,332.3 43.8,334.4 48.6,334.4 X5A.6@49.8,333.2
DRV_OFFSETB: C43B.2 DA4B.3 DA5B.3 X5B.6 | length 60
  Top w0.2: DA4B.3@8.73,329.7 8.73,328.87 10.53,327.07 12.93,327.07 v1(13.6,326.4) 13.6,324.1 15.3,322.4 17.509,320.191 17.509,315.679 19.327,313.861 v1(19.43,313.861)
  Bot w0.2: v1(13.6,326.4) 13.8,326.2 DA5B.3@13.8,324.7 ; v1(19.43,313.861) 26.041,307.25 28.755,307.25 33.705,302.3 41.7,302.3 43.8,304.4 48.6,304.4 X5B.6@49.8,303.2
DRV_OFFSETC: C43C.2 DA4C.3 DA5C.3 X5C.6 | length 60
  Top w0.2: DA4C.3@8.73,299.7 8.73,298.87 10.53,297.07 12.93,297.07 v1(13.6,296.4) 13.6,294.1 15.3,292.4 17.509,290.191 17.509,285.679 19.327,283.861 v1(19.43,283.861)
  Bot w0.2: v1(13.6,296.4) 13.8,296.2 DA5C.3@13.8,294.7 ; v1(19.43,283.861) 26.041,277.25 28.755,277.25 33.705,272.3 41.7,272.3 43.8,274.4 48.6,274.4 X5C.6@49.8,273.2
DRV_OFFSETD: C43D.2 DA4D.3 DA5D.3 X5D.6 | length 60
  Top w0.2: DA4D.3@8.73,269.7 8.73,268.87 10.53,267.07 12.93,267.07 v1(13.6,266.4) 13.6,264.1 15.3,262.4 17.509,260.191 17.509,255.679 19.327,253.861 v1(19.43,253.861)
  Bot w0.2: v1(13.6,266.4) 13.8,266.2 DA5D.3@13.8,264.7 ; v1(19.43,253.861) 26.041,247.25 28.755,247.25 33.705,242.3 41.7,242.3 43.8,244.4 48.6,244.4 X5D.6@49.8,243.2
DRV_OFFSETE: C43E.2 DA4E.3 DA5E.3 X5E.6 | length 60
  Top w0.2: DA4E.3@8.73,239.7 8.73,238.87 10.53,237.07 12.93,237.07 v1(13.6,236.4) 13.6,234.1 15.3,232.4 17.509,230.191 17.509,225.679 19.327,223.861 v1(19.43,223.861)
  Bot w0.2: v1(13.6,236.4) 13.8,236.2 DA5E.3@13.8,234.7 ; v1(19.43,223.861) 26.041,217.25 28.755,217.25 33.705,212.3 41.7,212.3 43.8,214.4 48.6,214.4 X5E.6@49.8,213.2
DRV_OFFSETF: C43F.2 DA4F.3 DA5F.3 X5F.6 | length 60
  Top w0.2: DA4F.3@8.73,209.7 8.73,208.87 10.53,207.07 12.93,207.07 v1(13.6,206.4) 13.6,204.1 15.3,202.4 17.509,200.191 17.509,195.679 19.327,193.861 v1(19.43,193.861)
  Bot w0.2: v1(13.6,206.4) 13.8,206.2 DA5F.3@13.8,204.7 ; v1(19.43,193.861) 26.041,187.25 28.755,187.25 33.705,182.3 41.7,182.3 43.8,184.4 48.6,184.4 X5F.6@49.8,183.2
DRV_OFFSETG: C43G.2 DA4G.3 DA5G.3 X5G.6 | length 60
  Top w0.2: DA4G.3@8.73,179.7 8.73,178.87 10.53,177.07 12.93,177.07 v1(13.6,176.4) 13.6,174.1 15.3,172.4 17.509,170.191 17.509,165.679 19.327,163.861 v1(19.43,163.861)
  Bot w0.2: v1(13.6,176.4) 13.8,176.2 DA5G.3@13.8,174.7 ; v1(19.43,163.861) 26.041,157.25 28.755,157.25 33.705,152.3 41.7,152.3 43.8,154.4 48.6,154.4 X5G.6@49.8,153.2
DRV_OFFSETH: C43H.2 DA4H.3 DA5H.3 X5H.6 | length 60
  Top w0.2: DA4H.3@8.73,149.7 8.73,148.87 10.53,147.07 12.93,147.07 v1(13.6,146.4) 13.6,144.1 15.3,142.4 17.509,140.191 17.509,135.679 19.327,133.861 v1(19.43,133.861)
  Bot w0.2: v1(13.6,146.4) 13.8,146.2 DA5H.3@13.8,144.7 ; v1(19.43,133.861) 26.041,127.25 28.755,127.25 33.705,122.3 41.7,122.3 43.8,124.4 48.6,124.4 X5H.6@49.8,123.2
DRV_OFFSETI: C43I.2 DA4I.3 DA5I.3 X5I.6 | length 60
  Top w0.2: DA4I.3@8.73,119.7 8.73,118.87 10.53,117.07 12.93,117.07 v1(13.6,116.4) 13.6,114.1 15.3,112.4 17.509,110.191 17.509,105.679 19.327,103.861 v1(19.43,103.861)
  Bot w0.2: v1(13.6,116.4) 13.8,116.2 DA5I.3@13.8,114.7 ; v1(19.43,103.861) 26.041,97.25 28.755,97.25 33.705,92.3 41.7,92.3 43.8,94.4 48.6,94.4 X5I.6@49.8,93.2
DRV_OFFSETJ: C43J.2 DA4J.3 DA5J.3 X5J.6 | length 60
  Top w0.2: DA4J.3@8.73,89.7 8.73,88.87 10.53,87.07 12.93,87.07 v1(13.6,86.4) 13.6,84.1 15.3,82.4 17.509,80.191 17.509,75.679 19.327,73.861 v1(19.43,73.861)
  Bot w0.2: v1(13.6,86.4) 13.8,86.2 DA5J.3@13.8,84.7 ; v1(19.43,73.861) 26.041,67.25 28.755,67.25 33.705,62.3 41.7,62.3 43.8,64.4 48.6,64.4 X5J.6@49.8,63.2
DRV_OFFSETK: C43K.2 DA4K.3 DA5K.3 X5K.6 | length 60
  Top w0.2: DA4K.3@8.73,59.7 8.73,58.87 10.53,57.07 12.93,57.07 v1(13.6,56.4) 13.6,54.1 15.3,52.4 17.509,50.191 17.509,45.679 19.327,43.861 v1(19.43,43.861)
  Bot w0.2: v1(13.6,56.4) 13.8,56.2 DA5K.3@13.8,54.7 ; v1(19.43,43.861) 26.041,37.25 28.755,37.25 33.705,32.3 41.7,32.3 43.8,34.4 48.6,34.4 X5K.6@49.8,33.2
DRV_OFFSETL: C43L.2 DA4L.3 DA5L.3 X5L.6 | length 60
  Top w0.2: DA4L.3@8.73,29.7 8.73,28.87 10.53,27.07 12.93,27.07 v1(13.6,26.4) 13.6,24.1 15.3,22.4 17.509,20.191 17.509,15.679 19.327,13.861 v1(19.43,13.861)
  Bot w0.2: v1(13.6,26.4) 13.8,26.2 DA5L.3@13.8,24.7 ; v1(19.43,13.861) 26.041,7.25 28.755,7.25 33.705,2.3 41.7,2.3 43.8,4.4 48.6,4.4 X5L.6@49.8,3.2
DRV_OG_N: DA2G.5 R8G.2 X1G.1 | length 5.3
  Bot w0.2: X1G.1@9,172 9,169.91 9.2,169.71 9.59,169.71 R8G.2@11.4,167.9
DRV_OG_P: DA2G.4 R45G.2 R48G.2 X1G.3 | length 7.9
  Bot w0.2: R48G.2@1.9,167.9 3.71,169.71 4.2,169.71 3.92,169.99 X1G.3@3.92,172 ; X1G.3@3.9,172.02 R45G.2@3.9,174.48
DRV_OH_N: DA2H.5 R8H.2 X1H.1 | length 5.3
  Bot w0.2: X1H.1@9,142 9,139.91 9.2,139.71 9.59,139.71 R8H.2@11.4,137.9
DRV_OH_P: DA2H.4 R45H.2 R48H.2 X1H.3 | length 7.9
  Bot w0.2: R48H.2@1.9,137.9 3.71,139.71 4.2,139.71 3.92,139.99 X1H.3@3.92,142 ; X1H.3@3.9,142.02 R45H.2@3.9,144.48
DRV_OI_N: DA2I.5 R8I.2 X1I.1 | length 5.3
  Bot w0.2: X1I.1@9,112 9,109.91 9.2,109.71 9.59,109.71 R8I.2@11.4,107.9
DRV_OI_P: DA2I.4 R45I.2 R48I.2 X1I.3 | length 7.9
  Bot w0.2: R48I.2@1.9,107.9 3.71,109.71 4.2,109.71 3.92,109.99 X1I.3@3.92,112 ; X1I.3@3.9,112.02 R45I.2@3.9,114.48
DRV_OJ_N: DA2J.5 R8J.2 X1J.1 | length 5.3
  Bot w0.2: X1J.1@9,82 9,79.91 9.2,79.71 9.59,79.71 R8J.2@11.4,77.9
DRV_OJ_P: DA2J.4 R45J.2 R48J.2 X1J.3 | length 7.9
  Bot w0.2: R48J.2@1.9,77.9 3.71,79.71 4.2,79.71 3.92,79.99 X1J.3@3.92,82 ; X1J.3@3.9,82.02 R45J.2@3.9,84.48
DRV_OK_N: DA2K.5 R8K.2 X1K.1 | length 5.3
  Bot w0.2: X1K.1@9,52 9,49.91 9.2,49.71 9.59,49.71 R8K.2@11.4,47.9
DRV_OK_P: DA2K.4 R45K.2 R48K.2 X1K.3 | length 7.9
  Bot w0.2: R48K.2@1.9,47.9 3.71,49.71 4.2,49.71 3.92,49.99 X1K.3@3.92,52 ; X1K.3@3.9,52.02 R45K.2@3.9,54.48
DRV_OL_N: DA2L.5 R8L.2 X1L.1 | length 5.3
  Bot w0.2: X1L.1@9,22 9,19.91 9.2,19.71 9.59,19.71 R8L.2@11.4,17.9
DRV_OL_P: DA2L.4 R45L.2 R48L.2 X1L.3 | length 7.9
  Bot w0.2: R48L.2@1.9,17.9 3.71,19.71 4.2,19.71 3.92,19.99 X1L.3@3.92,22 ; X1L.3@3.9,22.02 R45L.2@3.9,24.48
DRV_VOCMA: C37A.2 DA2A.2 pad.1@4.2,347.17 pad.1@24.08,338.55 X5A.5 | length 56.2
  Top w0.2: v1(5.969,346.9) 6.045,346.9 6.295,347.15 8.43,347.15 C37A.2@8.8,347.52 ; C37A.2@8.8,347.6 C37A.2@8.8,347.52 ; v1(18.93,342.9) 18.93,343.763 17.093,345.6 10.425,345.6 8.8,347.225 C37A.2@8.8,347.52
  Bot w0.2: pad.1@4.2,347.17 5.624,347.17 5.894,346.9 v1(5.969,346.9) ; v1(18.93,342.9) 19.73,342.9 pad.1@24.08,338.55 25.73,336.9 28.266,336.9 33.28,331.885 51.045,331.885 X5A.5@52.26,333.1
DRV_VOCMB: C37B.2 DA2B.2 X5B.5 | length 56.2
  Top w0.2: v1(5.969,316.9) 6.045,316.9 6.295,317.15 8.43,317.15 C37B.2@8.8,317.52 ; C37B.2@8.8,317.6 C37B.2@8.8,317.52 ; v1(18.93,312.9) 18.93,313.763 17.093,315.6 10.425,315.6 8.8,317.225 C37B.2@8.8,317.52
  Bot w0.2: DA2B.2@4.2,317.17 5.624,317.17 5.894,316.9 v1(5.969,316.9) ; v1(18.93,312.9) 19.73,312.9 24.08,308.55 25.73,306.9 28.266,306.9 33.28,301.885 51.045,301.885 X5B.5@52.26,303.1
DRV_VOCMC: C37C.2 DA2C.2 X5C.5 | length 56.2
  Top w0.2: v1(5.969,286.9) 6.045,286.9 6.295,287.15 8.43,287.15 C37C.2@8.8,287.52 ; C37C.2@8.8,287.6 C37C.2@8.8,287.52 ; v1(18.93,282.9) 18.93,283.763 17.093,285.6 10.425,285.6 8.8,287.225 C37C.2@8.8,287.52
  Bot w0.2: DA2C.2@4.2,287.17 5.624,287.17 5.894,286.9 v1(5.969,286.9) ; v1(18.93,282.9) 19.73,282.9 24.08,278.55 25.73,276.9 28.266,276.9 33.28,271.885 51.045,271.885 X5C.5@52.26,273.1
DRV_VOCMD: C37D.2 DA2D.2 X5D.5 | length 56.2
  Top w0.2: v1(5.969,256.9) 6.045,256.9 6.295,257.15 8.43,257.15 C37D.2@8.8,257.52 ; C37D.2@8.8,257.6 C37D.2@8.8,257.52 ; v1(18.93,252.9) 18.93,253.763 17.093,255.6 10.425,255.6 8.8,257.225 C37D.2@8.8,257.52
  Bot w0.2: DA2D.2@4.2,257.17 5.624,257.17 5.894,256.9 v1(5.969,256.9) ; v1(18.93,252.9) 19.73,252.9 24.08,248.55 25.73,246.9 28.266,246.9 33.28,241.885 51.045,241.885 X5D.5@52.26,243.1
DRV_VOCME: C37E.2 DA2E.2 X5E.5 | length 56.2
  Top w0.2: v1(5.969,226.9) 6.045,226.9 6.295,227.15 8.43,227.15 C37E.2@8.8,227.519 ; C37E.2@8.8,227.6 C37E.2@8.8,227.519 ; v1(18.93,222.9) 18.93,223.763 17.093,225.6 10.425,225.6 8.8,227.225 C37E.2@8.8,227.519
  Bot w0.2: DA2E.2@4.2,227.17 5.624,227.17 5.894,226.9 v1(5.969,226.9) ; v1(18.93,222.9) 19.73,222.9 24.08,218.55 25.73,216.9 28.266,216.9 33.28,211.885 51.045,211.885 X5E.5@52.26,213.1
DRV_VOCMF: C37F.2 DA2F.2 X5F.5 | length 56.2
  Top w0.2: v1(5.969,196.9) 6.045,196.9 6.295,197.15 8.43,197.15 C37F.2@8.8,197.519 ; C37F.2@8.8,197.6 C37F.2@8.8,197.519 ; v1(18.93,192.9) 18.93,193.763 17.093,195.6 10.425,195.6 8.8,197.225 C37F.2@8.8,197.519
  Bot w0.2: DA2F.2@4.2,197.17 5.624,197.17 5.894,196.9 v1(5.969,196.9) ; v1(18.93,192.9) 19.73,192.9 24.08,188.55 25.73,186.9 28.266,186.9 33.28,181.885 51.045,181.885 X5F.5@52.26,183.1
DRV_VOCMG: C37G.2 DA2G.2 X5G.5 | length 56.2
  Top w0.2: v1(5.969,166.9) 6.045,166.9 6.295,167.15 8.43,167.15 C37G.2@8.8,167.519 ; C37G.2@8.8,167.6 C37G.2@8.8,167.519 ; v1(18.93,162.9) 18.93,163.763 17.093,165.6 10.425,165.6 8.8,167.225 C37G.2@8.8,167.519
  Bot w0.2: DA2G.2@4.2,167.17 5.624,167.17 5.894,166.9 v1(5.969,166.9) ; v1(18.93,162.9) 19.73,162.9 24.08,158.55 25.73,156.9 28.266,156.9 33.28,151.885 51.045,151.885 X5G.5@52.26,153.1
DRV_VOCMH: C37H.2 DA2H.2 X5H.5 | length 56.2
  Top w0.2: v1(5.969,136.9) 6.045,136.9 6.295,137.15 8.43,137.15 C37H.2@8.8,137.519 ; C37H.2@8.8,137.6 C37H.2@8.8,137.519 ; v1(18.93,132.9) 18.93,133.763 17.093,135.6 10.425,135.6 8.8,137.225 C37H.2@8.8,137.519
  Bot w0.2: DA2H.2@4.2,137.17 5.624,137.17 5.894,136.9 v1(5.969,136.9) ; v1(18.93,132.9) 19.73,132.9 24.08,128.55 25.73,126.9 28.266,126.9 33.28,121.885 51.045,121.885 X5H.5@52.26,123.1
DRV_VOCMI: C37I.2 DA2I.2 X5I.5 | length 56.2
  Top w0.2: v1(5.969,106.9) 6.045,106.9 6.295,107.15 8.43,107.15 C37I.2@8.8,107.519 ; C37I.2@8.8,107.6 C37I.2@8.8,107.519 ; v1(18.93,102.9) 18.93,103.763 17.093,105.6 10.425,105.6 8.8,107.225 C37I.2@8.8,107.519
  Bot w0.2: DA2I.2@4.2,107.17 5.624,107.17 5.894,106.9 v1(5.969,106.9) ; v1(18.93,102.9) 19.73,102.9 24.08,98.55 25.73,96.9 28.266,96.9 33.28,91.885 51.045,91.885 X5I.5@52.26,93.1
DRV_VOCMJ: C37J.2 DA2J.2 X5J.5 | length 56.2
  Top w0.2: v1(5.969,76.9) 6.045,76.9 6.295,77.15 8.43,77.15 C37J.2@8.8,77.519 ; C37J.2@8.8,77.6 C37J.2@8.8,77.519 ; v1(18.93,72.9) 18.93,73.763 17.093,75.6 10.425,75.6 8.8,77.225 C37J.2@8.8,77.519
  Bot w0.2: DA2J.2@4.2,77.17 5.624,77.17 5.894,76.9 v1(5.969,76.9) ; v1(18.93,72.9) 19.73,72.9 24.08,68.55 25.73,66.9 28.266,66.9 33.28,61.885 51.045,61.885 X5J.5@52.26,63.1
DRV_VOCMK: C37K.2 DA2K.2 X5K.5 | length 56.2
  Top w0.2: v1(5.969,46.9) 6.045,46.9 6.295,47.15 8.43,47.15 C37K.2@8.8,47.519 ; C37K.2@8.8,47.6 C37K.2@8.8,47.519 ; v1(18.93,42.9) 18.93,43.763 17.093,45.6 10.425,45.6 8.8,47.225 C37K.2@8.8,47.519
  Bot w0.2: DA2K.2@4.2,47.17 5.624,47.17 5.894,46.9 v1(5.969,46.9) ; v1(18.93,42.9) 19.73,42.9 24.08,38.55 25.73,36.9 28.266,36.9 33.28,31.885 51.045,31.885 X5K.5@52.26,33.1
DRV_VOCML: C37L.2 DA2L.2 X5L.5 | length 56.2
  Top w0.2: v1(5.969,16.9) 6.045,16.9 6.295,17.15 8.43,17.15 C37L.2@8.8,17.519 ; C37L.2@8.8,17.6 C37L.2@8.8,17.519 ; v1(18.93,12.9) 18.93,13.763 17.093,15.6 10.425,15.6 8.8,17.225 C37L.2@8.8,17.519
  Bot w0.2: DA2L.2@4.2,17.17 5.624,17.17 5.894,16.9 v1(5.969,16.9) ; v1(18.93,12.9) 19.73,12.9 24.08,8.55 25.73,6.9 28.266,6.9 33.28,1.885 51.045,1.885 X5L.5@52.26,3.1
DRVA_N: DA2A.1 R9A.2 R48A.1 | length 4.2
  Bot w0.2: R48A.1@1.9,345.9 4.2,345.9 R9A.2@4.2,344
DRVB_N: DA2B.1 R9B.2 R48B.1 | length 4.2
  Bot w0.2: R48B.1@1.9,315.9 4.2,315.9 R9B.2@4.2,314
DRVC_N: DA2C.1 R9C.2 R48C.1 | length 4.2
  Bot w0.2: R48C.1@1.9,285.9 4.2,285.9 R9C.2@4.2,284
DRVD_N: DA2D.1 R9D.2 R48D.1 | length 4.2
  Bot w0.2: R48D.1@1.9,255.9 4.2,255.9 R9D.2@4.2,254
DRVE_N: DA2E.1 R9E.2 R48E.1 | length 4.2
  Bot w0.2: R48E.1@1.9,225.9 4.2,225.9 R9E.2@4.2,224
DRVF_N: DA2F.1 R9F.2 R48F.1 | length 4.2
  Bot w0.2: R48F.1@1.9,195.9 4.2,195.9 R9F.2@4.2,194
DRVG_N: DA2G.1 R9G.2 R48G.1 | length 4.2
  Bot w0.2: R48G.1@1.9,165.9 4.2,165.9 R9G.2@4.2,164
DRVH_N: DA2H.1 R9H.2 R48H.1 | length 4.2
  Bot w0.2: R48H.1@1.9,135.9 4.2,135.9 R9H.2@4.2,134
DRVI_N: DA2I.1 R9I.2 R48I.1 | length 4.2
  Bot w0.2: R48I.1@1.9,105.9 4.2,105.9 R9I.2@4.2,104
DRVJ_N: DA2J.1 R9J.2 R48J.1 | length 4.2
  Bot w0.2: R48J.1@1.9,75.9 4.2,75.9 R9J.2@4.2,74
DRVK_N: DA2K.1 R9K.2 R48K.1 | length 4.2
  Bot w0.2: R48K.1@1.9,45.9 4.2,45.9 R9K.2@4.2,44
DRVL_N: DA2L.1 R9L.2 R48L.1 | length 4.2
  Bot w0.2: R48L.1@1.9,15.9 4.2,15.9 R9L.2@4.2,14